# Altium PCB m-BLANC.PcbDoc (part 4 of 15) (continued)
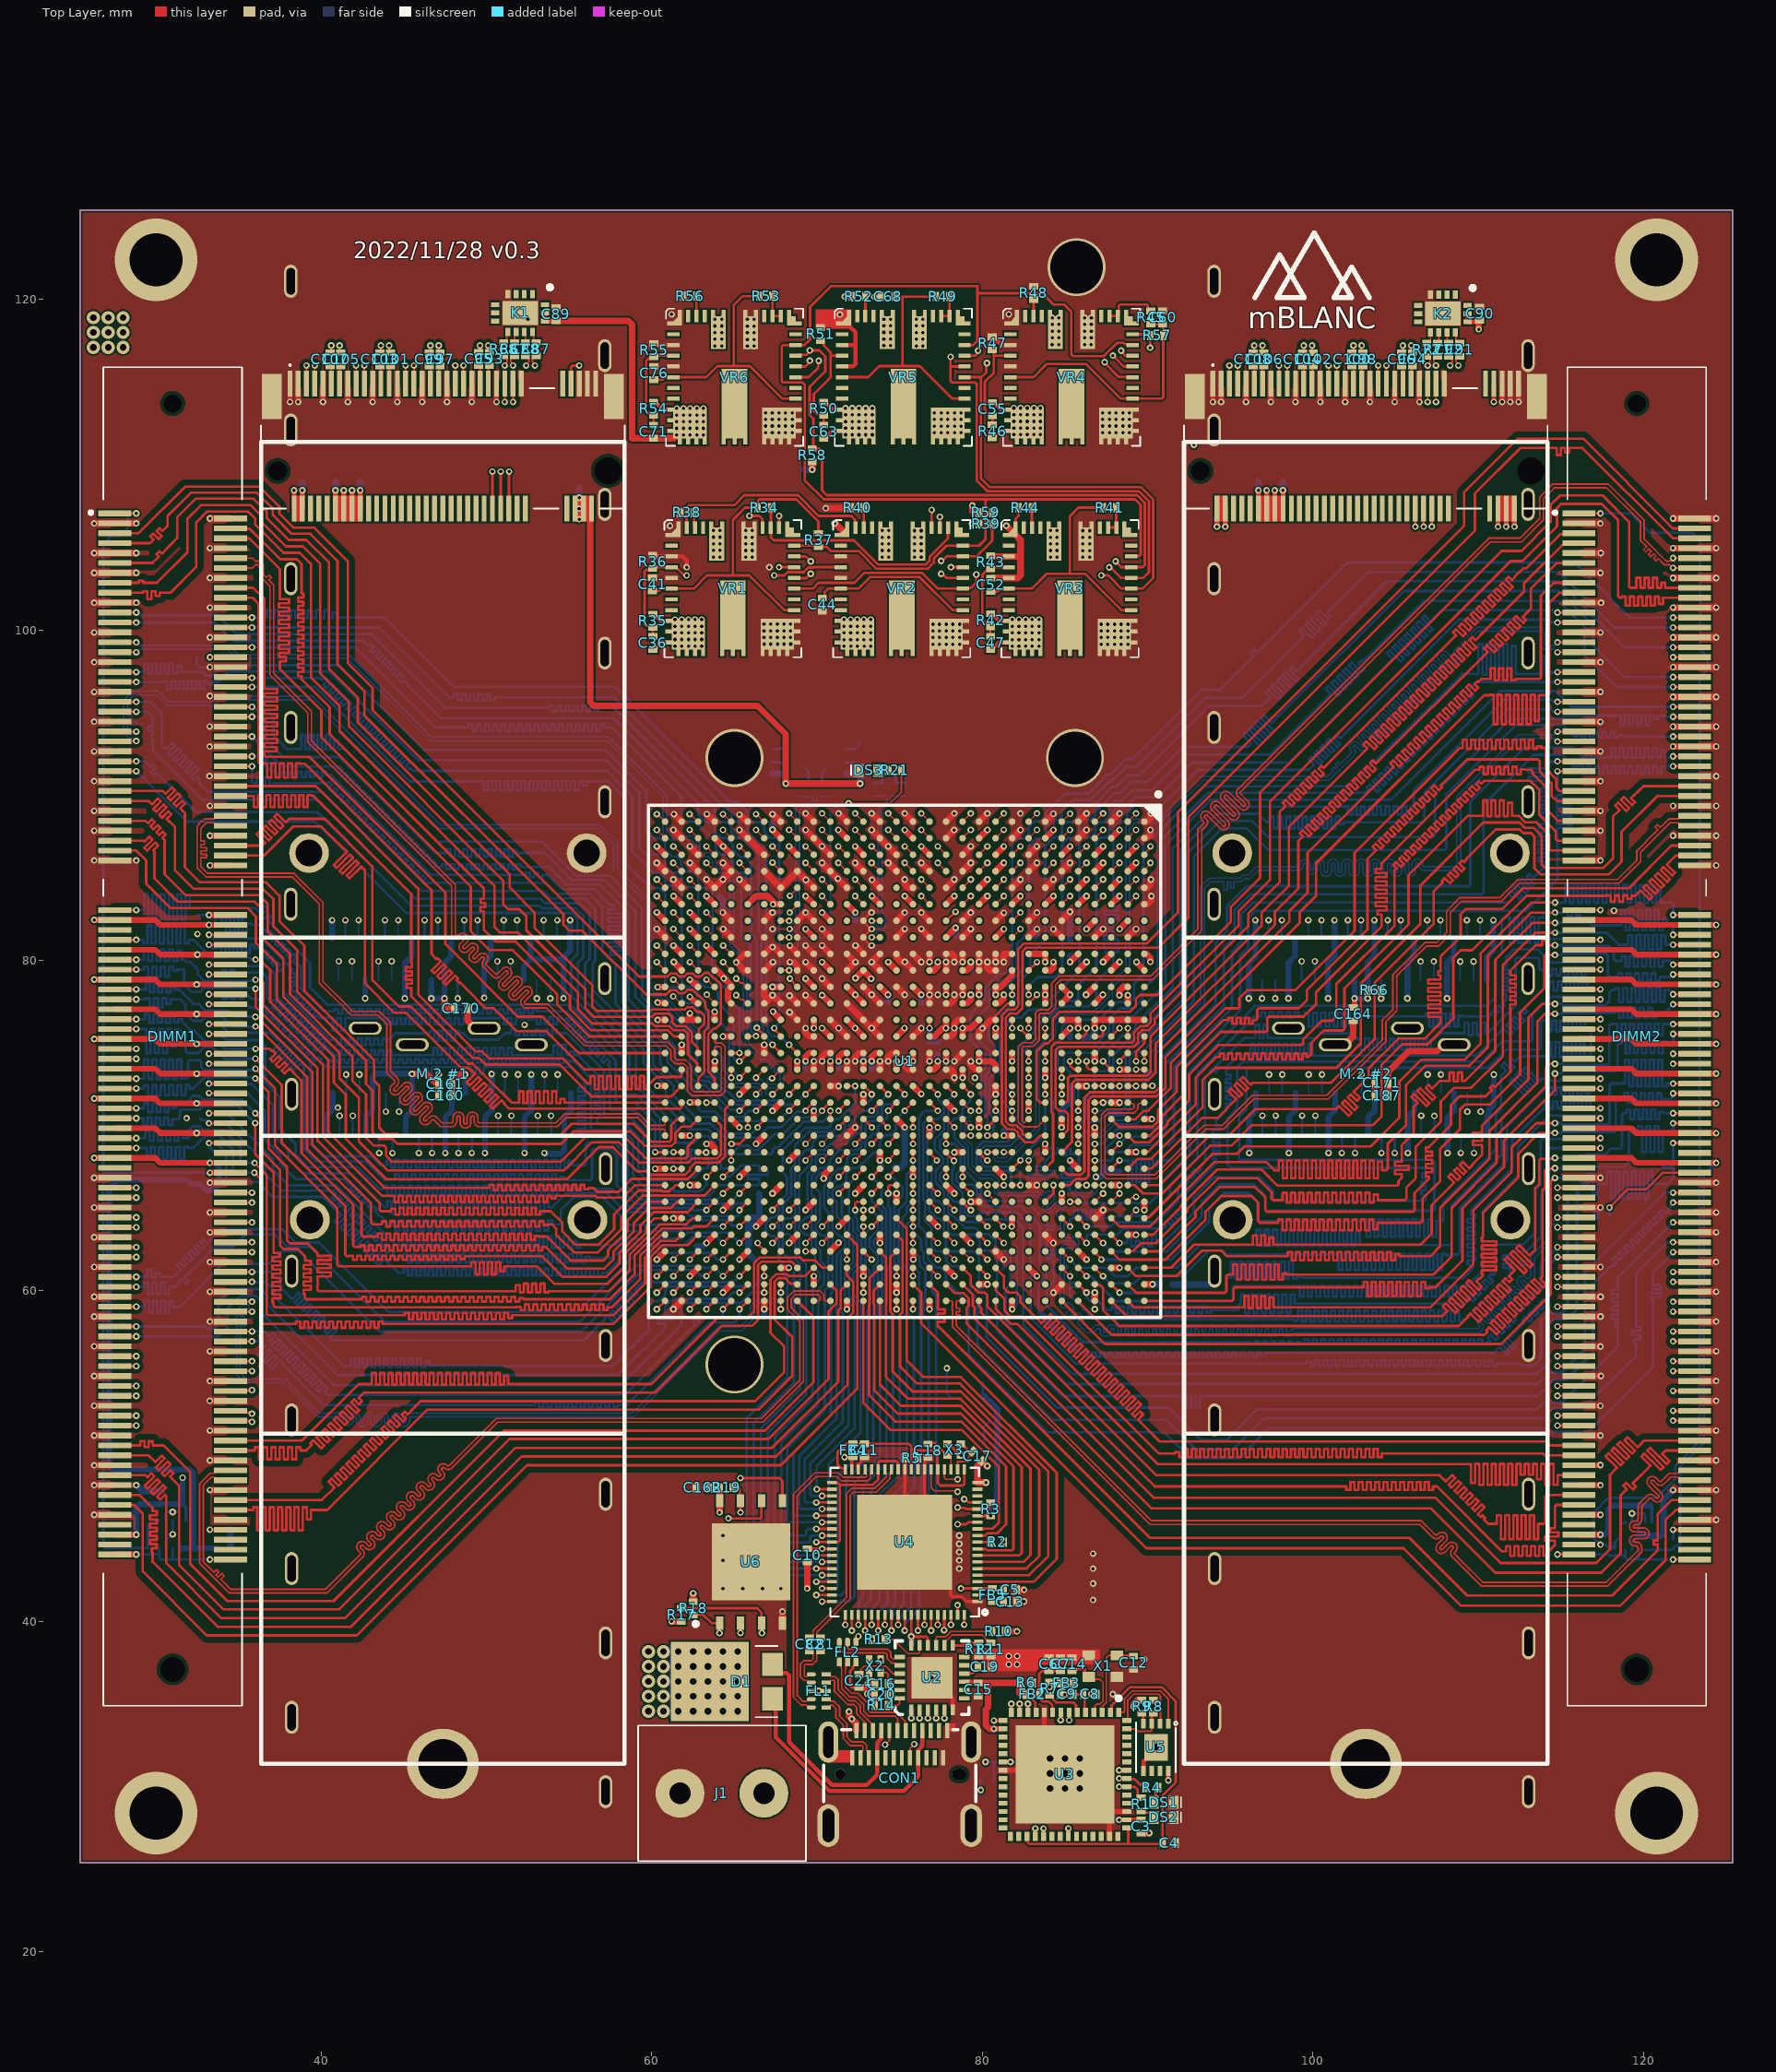
[diagram p0: Top Layer view]
## Nets (pads, with @x,y where several pads share a name; then routed paths per layer and width w, separated by ;. In a path a pad name is that pad's centre, name@x,y a point inside that pad or via, vN(x,y) a via of type N, cw(c..) or ccw(c..) an arc to the next point about the centre after c; other vN are vias at no path point) (continued)
DRAM1_DM3: DIMM1.63 U1.AH20 | length 54.3
  Top Layer w0.15: DIMM1.63@27.5,88.45 29.35,88.45 29.444,88.356 29.497,88.303 29.74,88.546 29.917,88.37 29.661,88.113 29.838,87.937 30.094,88.193 30.271,88.016 30.014,87.76 30.191,87.583 30.406,87.798 30.583,87.621 30.381,87.419 30.494,87.306 30.508,87.292 30.508,85.225 31.774,83.959 36.229,83.959 36.749,83.439 36.749,81.751 38.1,80.4 38.1,77.96 41.875,74.185 41.875,72.717 42.7,71.892 42.7,69.275 43.175,68.8 43.8,68.8 43.925,68.675 43.925,68.163 44.27,67.818 54.49,67.818 56.018,69.346 58.324,69.346 59.645,68.025 62.055,68.025 62.175,68.145 62.175,68.745 62.8,69.37 U1.AH20@62.8,69.4
DRAM1_DM4: DIMM1.136 U1.AK28 | length 46.3
  Top Layer w0.15: DIMM1.136@34.5,64.15 35.621,64.15 v1(35.8,64.15) ; v1(60.3,60.9) U1.AK28@60.8,61.4
  InLayer2 (Signal) w0.15: v1(35.8,64.15) 36.527,64.15 36.673,64.004 36.726,63.951 37.154,64.379 37.331,64.203 36.878,63.75 37.055,63.573 37.508,64.026 37.684,63.849 37.231,63.396 37.408,63.219 37.861,63.672 38.038,63.495 37.61,63.067 37.722,62.955 37.777,62.9 38.852,62.9 40.224,61.528 40.416,61.528 40.491,61.528 40.491,62.404 40.741,62.404 40.741,61.521 40.991,61.521 40.991,62.404 41.241,62.404 41.241,61.521 41.491,61.521 41.491,62.404 41.741,62.404 41.741,61.521 41.991,61.521 41.991,62.404 42.241,62.404 42.241,61.521 42.491,61.521 42.491,62.366 42.741,62.366 42.741,61.528 43.083,61.528 43.099,61.528 43.174,61.528 43.174,61.7 43.424,61.7 43.424,61.389 43.674,61.389 43.674,61.7 43.924,61.7 43.924,61.389 44.174,61.389 44.174,61.7 44.424,61.7 44.424,61.389 44.674,61.389 44.674,61.7 44.924,61.7 44.924,61.389 45.174,61.389 45.174,61.7 45.424,61.7 45.424,61.389 45.674,61.389 45.674,61.7 45.924,61.7 45.924,61.389 46.174,61.389 46.174,61.7 46.424,61.7 46.424,61.389 46.674,61.389 46.674,61.7 46.924,61.7 46.924,61.389 47.174,61.389 47.174,61.7 47.424,61.7 47.424,61.389 47.674,61.389 47.674,61.7 47.924,61.7 47.924,61.528 48.157,61.528 59.36,61.528 59.988,60.9 v1(60.3,60.9)
DRAM1_DM5: DIMM1.153 U1.AG28 | length 46.6
  Top Layer w0.15: DIMM1.153@27.5,59.05 v1(28.8,59.05) ; v1(63.3,60.9) U1.AG28@63.8,61.4
  Bottom Layer w0.15: v1(28.8,59.05) 29.22,59.05 29.295,59.05 29.295,59.393 29.545,59.393 29.545,58.689 29.795,58.689 29.795,59.393 30.045,59.393 30.045,58.689 30.295,58.689 30.295,59.393 30.545,59.393 30.545,58.689 30.795,58.689 30.795,59.393 31.045,59.393 31.045,59.015 31.295,59.015 31.295,59.05 31.442,59.05 31.62,59.228 34.026,61.634 36.846,61.634 37.637,62.425 38.623,62.425 43.51,57.539 55.723,57.539 59.459,61.275 62.591,61.275 62.919,60.948 63.252,60.948 v1(63.3,60.9)
DRAM1_DM6: DIMM1.170 U1.AA25 | length 56.5
  Top Layer w0.15: DIMM1.170@34.5,53.95 35.621,53.95 35.623,53.952 35.752,53.952 v1(35.8,54) ; v1(69.3,63.9) U1.AA25@69.8,64.4
  InLayer2 (Signal) w0.15: v1(35.8,54) 39.1,54 41.091,52.009 41.279,52.009 41.354,52.009 41.354,52.184 41.604,52.184 41.604,51.906 41.854,51.906 41.854,52.184 42.104,52.184 42.104,51.906 42.354,51.906 42.354,52.184 42.604,52.184 42.604,51.906 42.854,51.906 42.854,52.184 43.104,52.184 43.104,51.906 43.354,51.906 43.354,52.184 43.604,52.184 43.604,51.906 43.854,51.906 43.854,52.184 44.104,52.184 44.104,51.906 44.354,51.906 44.354,52.184 44.604,52.184 44.604,51.906 44.854,51.906 44.854,52.184 45.104,52.184 45.104,51.906 45.354,51.906 45.354,52.184 45.604,52.184 45.604,51.906 45.854,51.906 45.854,52.184 46.104,52.184 46.104,51.906 46.354,51.906 46.354,52.184 46.604,52.184 46.604,51.906 46.854,51.906 46.854,52.184 47.104,52.184 47.104,51.906 47.354,51.906 47.354,52.184 47.604,52.184 47.604,51.906 47.854,51.906 47.854,52.184 48.104,52.184 48.104,51.906 48.354,51.906 48.354,52.184 48.604,52.184 48.604,51.906 48.854,51.906 48.854,52.184 49.104,52.184 49.104,51.906 49.354,51.906 49.354,52.184 49.604,52.184 49.604,51.906 49.854,51.906 49.854,52.08 50.104,52.08 50.104,52.009 50.27,52.009 67.009,52.009 68.786,53.786 68.786,63.386 v1(69.3,63.9)
DRAM1_DM7: DIMM1.187 U1.W29 | length 66.6
  Top Layer w0.15: DIMM1.187@27.5,48.85 29.35,48.85 29.419,48.781 29.472,48.728 29.714,48.969 29.891,48.792 29.309,48.21 29.485,48.033 30.067,48.615 30.244,48.438 29.662,47.857 29.839,47.68 30.421,48.262 30.598,48.085 30.062,47.549 30.238,47.372 30.533,47.667 30.618,47.582 30.619,47.581 30.619,43.534 33.954,40.198 41.433,40.198 51.741,50.507 67.272,50.507 71.27,54.505 71.27,58.815 71.425,58.97 71.425,60.025 U1.W29@71.8,60.4
DRAM1_DQ0: DIMM1.5 U1.AG17 | length 62.2
  Top Layer w0.15: DIMM1.5@27.5,105.85 28.934,105.85 31.753,108.67 36.254,108.67 37.456,107.468 37.456,107.044 38.319,106.181 39.583,106.181 41.6,104.164 41.6,98 43.1,96.5 43.1,95.157 59.232,79.025 60.955,79.025 61.143,79.213 61.457,79.213 61.645,79.025 61.955,79.025 62.145,79.214 62.455,79.214 62.645,79.025 62.955,79.025 63.186,79.255 63.414,79.255 63.773,78.897 63.833,78.897 64.175,78.555 64.175,76.177 63.89,75.892 63.762,75.892 63.425,75.555 63.425,73.245 63.8,72.87 U1.AG17@63.8,72.4
DRAM1_DQ1: DIMM1.7 U1.AH17 | length 62.5
  Top Layer w0.15: DIMM1.7@27.5,105.25 29.644,105.25 29.797,105.403 29.85,105.456 29.641,105.665 29.818,105.842 30.165,105.495 30.342,105.671 30.025,105.989 30.201,106.165 30.38,105.986 30.594,106.2 30.693,106.299 30.693,106.894 32.105,108.306 36.101,108.306 37.058,107.349 37.058,106.959 38.2,105.817 39.338,105.817 40.978,104.178 40.978,97.922 42.6,96.3 42.6,94.832 54.65,82.782 54.65,82.171 55.021,81.8 55.8,81.8 59.662,77.938 60.868,77.938 61.134,78.204 61.447,78.204 61.65,78 61.93,78 62.143,78.213 62.457,78.213 62.77,77.9 62.83,77.9 63.175,77.555 63.232,77.498 63.232,77.139 63.425,76.946 63.425,75.963 63.175,75.713 63.175,73.245 62.8,72.87 U1.AH17@62.8,72.4
DRAM1_DQ2: DIMM1.15 U1.AH15 | length 60.2
  Top Layer w0.15: DIMM1.15@27.5,102.85 28.879,102.85 28.954,102.85 28.954,102.978 29.204,102.978 29.204,102.85 29.553,102.85 30.047,102.85 31.894,104.697 31.894,106.736 32.708,107.55 35.722,107.55 36.35,106.922 36.35,106.563 37.855,105.057 38.877,105.057 39.933,104.001 39.933,97.367 41.664,95.636 41.664,94.172 51,84.836 51,83.4 51.3,83.1 51.978,83.1 52.4,82.678 52.4,81.832 55.977,78.254 55.977,77.105 56.496,76.586 60,76.586 60.189,76.775 60.645,76.775 61.039,76.775 61.228,76.586 61.228,76.277 61.48,76.025 62.059,76.025 62.425,75.659 62.425,75.075 62.771,74.729 62.771,74.429 U1.AH15@62.8,74.4
DRAM1_DQ3: DIMM1.17 U1.AH16 | length 62.4
  Top Layer w0.15: DIMM1.17@27.5,102.25 29.142,102.25 29.217,102.25 29.217,102.33 29.467,102.33 29.467,101.866 29.717,101.866 29.717,102.33 29.967,102.33 29.967,102.061 30.217,102.061 30.217,102.25 30.595,102.25 30.862,102.25 32.432,103.82 32.432,106.506 33.091,107.165 35.561,107.165 36,106.726 36,106.372 37.7,104.673 38.692,104.673 39.364,104 39.364,97.136 41.1,95.4 41.1,93.869 50.479,84.49 50.479,82.021 50.8,81.7 51.881,81.7 55.528,78.054 55.528,77.056 56.397,76.186 60.028,76.186 60.189,76.025 60.499,76.025 61.075,76.025 61.325,75.775 61.955,75.775 62.175,75.555 62.175,74.325 62.752,73.748 62.752,73.448 U1.AH16@62.8,73.4
DRAM1_DQ4: DIMM1.4 U1.AJ14 | length 54.3
  Top Layer w0.15: DIMM1.4@34.5,106.15 34.516,106.134 35.647,106.134 37.506,104.275 38.525,104.275 38.8,104 38.8,102.286 38.8,102.211 38.911,102.211 38.911,101.961 38.595,101.961 38.595,101.711 38.911,101.711 38.911,101.461 38.595,101.461 38.595,101.211 38.911,101.211 38.911,100.961 38.595,100.961 38.595,100.711 38.911,100.711 38.911,100.461 38.595,100.461 38.595,100.211 38.911,100.211 38.911,99.961 38.595,99.961 38.595,99.711 38.911,99.711 38.911,99.461 38.595,99.461 38.595,99.211 38.911,99.211 38.911,98.961 38.595,98.961 38.595,98.711 38.911,98.711 38.911,98.461 38.595,98.461 38.595,98.211 38.911,98.211 38.911,97.961 38.595,97.961 38.595,97.711 38.911,97.711 38.911,97.461 38.595,97.461 38.595,97.211 38.8,97.211 38.8,97.098 38.8,97.012 40.5,95.312 40.5,93.698 49.828,84.371 49.828,84.1 49.828,83.725 49.633,83.725 49.633,83.475 49.921,83.475 49.921,83.225 49.614,83.225 49.614,82.975 49.828,82.975 49.828,82.9 49.828,81.872 50.557,81.143 51.755,81.143 55.036,77.862 55.036,77.069 56.332,75.773 60.599,75.773 60.601,75.775 60.971,75.775 61.346,75.4 U1.AJ14@61.8,75.4
DRAM1_DQ5: DIMM1.6 U1.AK14 | length 54.5
  Top Layer w0.15: DIMM1.6@34.5,105.55 34.516,105.534 35.637,105.534 37.49,103.681 37.49,101.933 37.49,101.858 38.042,101.858 38.042,101.608 37.428,101.608 37.428,101.358 38.042,101.358 38.042,101.108 37.428,101.108 37.428,100.858 38.042,100.858 38.042,100.608 37.428,100.608 37.428,100.358 38.042,100.358 38.042,100.108 37.428,100.108 37.428,99.858 38.042,99.858 38.042,99.608 37.428,99.608 37.428,99.358 38.042,99.358 38.042,99.108 37.428,99.108 37.428,98.858 38.042,98.858 38.042,98.608 37.428,98.608 37.428,98.358 37.852,98.358 37.852,98.108 37.49,98.108 37.49,97.841 37.49,97.647 40,95.138 40,93.5 49.042,84.458 49.042,81.758 50.174,80.626 51.587,80.626 52.891,79.323 54.275,77.939 54.275,77.325 56.2,75.4 U1.AK14@60.8,75.4
DRAM1_DQ6: DIMM1.16 U1.AK15 | length 57.6
  Top Layer w0.15: DIMM1.16@34.5,102.55 35.621,102.55 35.87,102.55 36.555,101.865 36.555,96.489 36.555,96.414 37.323,96.414 37.323,96.164 36.551,96.164 36.551,95.914 37.323,95.914 37.323,95.664 36.551,95.664 36.551,95.414 37.323,95.414 37.323,95.164 36.551,95.164 36.551,94.914 37.323,94.914 37.323,94.664 36.551,94.664 36.551,94.414 37.323,94.414 37.323,94.164 36.551,94.164 36.551,93.914 37.323,93.914 37.323,93.664 36.551,93.664 36.551,93.414 37.323,93.414 37.323,93.164 36.551,93.164 36.551,92.914 37.298,92.914 37.298,92.664 36.555,92.664 36.555,92.411 36.635,92.331 36.643,92.323 39.27,92.323 47.5,84.092 47.5,80.999 51.895,76.604 53.368,76.604 55.572,74.4 U1.AK15@60.8,74.4
DRAM1_DQ7: DIMM1.18 U1.AK16 | length 58
  Top Layer w0.15: DIMM1.18@34.5,101.95 35.828,101.95 36.198,101.58 36.198,91.984 36.286,91.896 36.394,91.896 36.469,91.896 36.469,91.934 36.719,91.934 36.719,91.073 36.969,91.073 36.969,91.934 37.219,91.934 37.219,91.073 37.469,91.073 37.469,91.934 37.719,91.934 37.719,91.073 37.969,91.073 37.969,91.934 38.219,91.934 38.219,91.073 38.469,91.073 38.469,91.934 38.719,91.934 38.719,91.896 38.994,91.896 39.017,91.896 46.663,84.25 46.663,80.393 46.928,80.128 46.981,80.075 47.041,80.135 47.218,79.959 46.656,79.397 46.833,79.22 47.395,79.782 47.572,79.605 47.01,79.043 47.186,78.866 47.749,79.428 47.925,79.251 47.363,78.689 47.54,78.513 48.102,79.075 48.279,78.898 48.182,78.801 48.359,78.625 48.395,78.66 48.761,78.295 49.941,77.114 50.427,77.114 51.179,76.362 51.824,75.717 53.617,75.717 55.935,73.4 U1.AK16@60.8,73.4
DRAM1_DQ8: DIMM1.21 U1.AC15 | length 62
  Top Layer w0.15: DIMM1.21@27.5,101.05 v1@28.75,101.05 ; v1@67.25,74.925 67.263,74.925 67.788,74.4 U1.AC15@67.8,74.4
  Bottom Layer w0.15: v1(28.8,101.05) 28.848,101.002 28.986,101.002 29.086,100.902 33.698,100.902 34.855,99.745 43.022,99.745 47.489,95.278 53.7,95.278 53.775,95.278 53.775,95.418 54.025,95.418 54.025,95.091 54.275,95.091 54.275,95.418 54.525,95.418 54.525,95.091 54.775,95.091 54.775,95.418 55.025,95.418 55.025,95.091 55.275,95.091 55.275,95.418 55.525,95.418 55.525,95.091 55.775,95.091 55.775,95.418 56.025,95.418 56.025,95.091 56.275,95.091 56.275,95.418 56.525,95.418 56.525,95.124 56.775,95.124 56.775,95.278 57.2,95.278 57.714,95.278 63.8,89.192 63.8,88.724 64.16,88.365 64.57,88.365 64.823,88.111 64.823,87.73 65.146,87.408 65.457,87.408 66.464,86.4 66.464,81.795 66.631,81.628 66.631,76.172 66.725,76.079 66.725,75.505 67.3,74.93 v1(67.3,74.9)
DRAM1_DQ9: DIMM1.23 U1.AD14 | length 60.2
  Top Layer w0.15: DIMM1.23@27.5,100.45 v1(28.8,100.45) ; v1(66.35,75.923) 66.35,75.904 66.8,75.454 U1.AD14@66.8,75.4
  Bottom Layer w0.15: v1@28.803,100.45 33.55,100.45 34.656,99.344 42.557,99.344 42.818,99.083 42.871,99.03 43.001,99.159 43.177,98.983 42.95,98.755 43.127,98.579 43.354,98.806 43.531,98.629 43.304,98.402 43.481,98.225 43.708,98.452 43.884,98.275 43.657,98.048 43.834,97.871 44.061,98.099 44.238,97.922 44.011,97.695 44.188,97.518 44.415,97.745 44.592,97.568 44.364,97.341 44.541,97.164 44.768,97.392 44.945,97.215 44.718,96.988 44.895,96.811 45.05,96.966 45.227,96.789 45.169,96.732 45.804,96.097 47.229,94.672 57.674,94.672 62.8,89.546 62.8,88.846 63.267,88.379 63.555,88.379 63.829,88.104 63.829,87.754 64.162,87.422 64.501,87.422 64.887,87.036 64.887,86.713 65.325,86.275 65.647,86.275 66,85.922 66,81.6 66.35,81.25 v1(66.35,75.923)
DRAM1_DQ10: DIMM1.33 U1.AF15 | length 60.8
  Top Layer w0.15: DIMM1.33@27.5,97.45 v1(28.8,97.45) ; U1.AF15@64.8,74.4 v1(65.3,74.4)
  Bottom Layer w0.15: v1(28.8,97.45) 29.2,97.45 29.275,97.45 29.275,97.954 29.525,97.954 29.525,97.389 29.775,97.389 29.775,97.954 30.025,97.954 30.025,97.389 30.275,97.389 30.275,97.954 30.525,97.954 30.525,97.389 30.775,97.389 30.775,97.954 31.025,97.954 31.025,97.389 31.275,97.389 31.275,97.849 31.525,97.849 31.525,97.45 31.987,97.45 32.828,97.45 33.045,97.233 33.426,97.233 34.048,97.855 41.097,97.855 46.211,92.742 57.172,92.742 59.659,90.255 59.659,87.841 60.1,87.4 60.512,87.4 60.8,87.112 60.8,86.7 61.2,86.3 61.516,86.3 61.78,86.036 61.78,85.674 62.061,85.393 62.453,85.393 62.814,85.033 62.814,84.671 63.085,84.4 63.561,84.4 63.675,84.286 63.675,80.745 63.649,80.719 63.649,79.047 64.283,78.413 64.51,78.413 64.721,78.201 64.721,77.599 65.3,77.02 v1(65.3,74.4)
DRAM1_DQ11: DIMM1.35 U1.AE15 | length 61.1
  Top Layer w0.15: DIMM1.35@27.5,96.85 v1(28.8,96.85) ; v1(65.295,73.895) 65.325,73.895 65.8,74.37 U1.AE15@65.8,74.4
  Bottom Layer w0.15: v1(28.8,96.85) 28.814,96.836 30.332,96.836 30.407,96.836 30.407,96.906 30.657,96.906 30.657,96.425 30.907,96.425 30.907,96.906 31.157,96.906 31.157,96.425 31.407,96.425 31.407,96.906 31.657,96.906 31.657,96.425 31.907,96.425 31.907,96.906 32.157,96.906 32.157,96.425 32.407,96.425 32.407,96.906 32.657,96.906 32.657,96.425 32.907,96.425 32.907,96.906 33.157,96.906 33.157,96.721 33.407,96.721 33.407,96.836 33.692,96.836 33.736,96.836 34.375,97.475 40.503,97.475 45.854,92.124 57.249,92.124 59.252,90.121 59.252,86.801 59.653,86.4 60.5,86.4 60.8,86.1 60.8,85.7 61.2,85.3 61.596,85.3 61.8,85.096 61.8,84.669 62.039,84.43 62.57,84.43 62.8,84.2 62.8,78.779 63.205,78.374 63.69,78.374 63.995,78.068 63.995,77.467 64.925,76.537 64.925,74.111 65.094,73.943 65.247,73.943 v1(65.295,73.895)
DRAM1_DQ12: DIMM1.22 U1.AC14 | length 59.7
  Top Layer w0.15: DIMM1.22@34.5,100.75 35.621,100.75 v1(35.8,100.75) ; v1(67.4,75.9) 67.4,75.85 67.8,75.45 U1.AC14@67.8,75.4
  Bottom Layer w0.15: v1(35.8,100.75) 36.6,100.75 36.675,100.75 36.675,101.202 36.925,101.202 36.925,100.713 37.175,100.713 37.175,101.202 37.425,101.202 37.425,100.713 37.675,100.713 37.675,101.202 37.925,101.202 37.925,100.713 38.175,100.713 38.175,101.202 38.425,101.202 38.425,100.713 38.675,100.713 38.675,101.202 38.925,101.202 38.925,100.713 39.175,100.713 39.175,101.202 39.425,101.202 39.425,100.713 39.675,100.713 39.675,101.202 39.925,101.202 39.925,100.713 40.175,100.713 40.175,101.202 40.425,101.202 40.425,100.713 40.675,100.713 40.675,101.061 40.925,101.061 40.925,100.75 41.446,100.75 43.829,100.75 48.01,96.569 57.731,96.569 64.682,89.618 65.136,89.618 65.83,88.924 65.83,88.642 66.096,88.376 66.529,88.376 66.81,88.094 66.81,87.765 67.165,87.41 67.521,87.41 67.709,87.223 67.709,76.209 v1(67.4,75.9)
DRAM1_DQ13: DIMM1.24 U1.AB15 | length 56
  Top Layer w0.15: DIMM1.24@34.5,100.15 35.621,100.15 v1(35.8,100.15) ; v1@68.189,74.893 68.237,74.845 68.355,74.845 U1.AB15@68.8,74.4
  Bottom Layer w0.15: v1(35.8,100.15) 43.496,100.15 47.728,95.918 47.918,95.918 47.993,95.918 47.993,96.124 48.243,96.124 48.243,95.718 48.493,95.718 48.493,96.124 48.743,96.124 48.743,95.718 48.993,95.718 48.993,96.124 49.243,96.124 49.243,95.718 49.493,95.718 49.493,96.124 49.743,96.124 49.743,95.718 49.993,95.718 49.993,96.124 50.243,96.124 50.243,95.718 50.493,95.718 50.493,95.956 50.743,95.956 50.743,95.918 51.119,95.918 57.713,95.918 64.4,89.23 64.524,89.23 64.819,88.935 64.819,88.592 65.01,88.4 65.6,88.4 65.8,88.2 65.8,87.768 66.925,86.643 66.925,76.232 67.025,76.132 67.025,75.679 67.298,75.406 67.794,75.406 v1(68.3,74.9)
DRAM1_DQ14: DIMM1.34 U1.AE16 | length 61.4
  Top Layer w0.15: DIMM1.34@34.5,97.15 35.621,97.15 35.682,97.15 35.732,97.1 v1(35.8,97.1) ; v1(65.3,72.9) U1.AE16@65.8,73.4
  Bottom Layer w0.15: v1(35.8,97.1) 39.918,97.1 40.009,97.009 40.062,96.956 40.239,97.134 40.416,96.957 40.11,96.651 40.287,96.474 40.593,96.78 40.77,96.603 40.464,96.297 40.641,96.121 40.947,96.427 41.123,96.25 40.817,95.944 40.994,95.767 41.3,96.073 41.477,95.896 41.171,95.59 41.348,95.413 41.654,95.72 41.83,95.543 41.524,95.237 41.701,95.06 42.007,95.366 42.184,95.189 41.878,94.883 42.055,94.706 42.361,95.012 42.538,94.836 42.231,94.53 42.408,94.353 42.714,94.659 42.891,94.482 42.585,94.176 42.762,93.999 43.068,94.305 43.245,94.129 42.939,93.823 43.115,93.646 43.421,93.952 43.598,93.775 43.292,93.469 43.469,93.292 43.775,93.598 43.952,93.421 43.646,93.115 43.822,92.939 44.129,93.245 44.305,93.068 43.999,92.762 44.176,92.585 44.482,92.891 44.659,92.714 44.353,92.408 44.53,92.232 44.836,92.538 45.012,92.361 44.706,92.055 44.883,91.878 45.189,92.184 45.366,92.007 45.128,91.769 45.305,91.593 45.365,91.653 45.545,91.473 57.281,91.473 58.806,89.948 58.806,86.594 60.1,85.3 60.43,85.3 60.8,84.93 60.8,84.7 60.975,84.525 61.405,84.525 61.8,84.13 61.8,78.702 62.104,78.398 62.543,78.398 62.768,78.173 62.768,77.822 63.266,77.324 63.266,76.832 63.849,76.249 64.173,76.249 64.675,75.747 64.675,75.041 64.675,73.555 65.3,72.93 v1(65.3,72.9)
DRAM1_DQ15: DIMM1.36 U1.AF16 | length 61.5
  Top Layer w0.15: DIMM1.36@34.5,96.55 35.621,96.55 v1(35.8,96.55) ; v1(64.8,72.9) U1.AF16@64.8,73.4
  Bottom Layer w0.15: v1(35.8,96.55) 39.633,96.55 45.358,90.824 49.506,90.824 49.581,90.824 49.581,90.848 49.831,90.848 49.831,90.288 50.081,90.288 50.081,90.848 50.331,90.848 50.331,90.288 50.581,90.288 50.581,90.848 50.831,90.848 50.831,90.288 51.081,90.288 51.081,90.848 51.331,90.848 51.331,90.288 51.581,90.288 51.581,90.848 51.831,90.848 51.831,90.288 52.081,90.288 52.081,90.848 52.331,90.848 52.331,90.288 52.581,90.288 52.581,90.848 52.831,90.848 52.831,90.288 53.081,90.288 53.081,90.848 53.331,90.848 53.331,90.288 53.581,90.288 53.581,90.848 53.831,90.848 53.831,90.288 54.081,90.288 54.081,90.848 54.331,90.848 54.331,90.288 54.581,90.288 54.581,90.848 54.831,90.848 54.831,90.288 55.081,90.288 55.081,90.848 55.331,90.848 55.331,90.288 55.581,90.288 55.581,90.848 55.831,90.848 55.831,90.61 56.081,90.61 56.081,90.824 56.982,90.824 57.376,90.824 58.39,89.81 58.39,85.887 59.877,84.4 60.434,84.4 60.8,84.034 60.8,78.643 61.046,78.397 61.572,78.397 61.789,78.18 61.789,77.711 62.093,77.407 62.493,77.407 62.8,77.1 62.8,76.5 63.9,75.4 63.9,74.5 64.287,74.113 64.287,73.412 v1(64.8,72.9)
DRAM1_DQ16: DIMM1.39 U1.AD19 | length 62.4
  Top Layer w0.15: DIMM1.39@27.5,95.65 v1(28.8,95.65) ; v1(66.4,69.9) 66.4,69.95 66.8,70.35 U1.AD19@66.8,70.4
  Bottom Layer w0.15: v1(28.8,95.65) 29.65,95.65 30.325,94.975 30.325,93.017 30.521,92.821 30.574,92.768 30.983,93.177 31.159,93 30.707,92.548 30.884,92.371 31.336,92.823 31.513,92.646 31.061,92.194 31.238,92.017 31.69,92.469 31.867,92.293 31.414,91.84 31.591,91.664 32.043,92.116 32.22,91.939 31.768,91.487 31.945,91.31 32.397,91.762 32.574,91.586 32.121,91.133 32.298,90.957 32.484,91.143 32.661,90.966 32.519,90.824 32.719,90.624 33.142,90.2 40.058,90.2 46.064,84.194 53.407,84.194 53.844,83.757 55.922,83.757 56.575,83.104 56.575,79.966 56.426,79.817 56.426,78.211 60.078,74.559 60.078,73.664 61.326,72.416 61.326,71.832 62.621,70.537 63.635,70.537 64.648,69.525 65.074,69.525 66.025,69.525 v1(66.4,69.9)
DRAM1_DQ17: DIMM1.41 U1.AA18 | length 59.8
  Top Layer w0.15: DIMM1.41@27.5,95.05 v1(28.8,95.05) ; v1(69.3,70.9) 69.3,70.93 69.77,71.4 U1.AA18@69.8,71.4
  Bottom Layer w0.15: v1(28.8,95.05) 29.463,95.05 29.8,94.713 29.8,94.5 29.8,94.425 29.809,94.425 29.809,94.175 29.531,94.175 29.531,93.925 29.809,93.925 29.809,93.675 29.717,93.675 29.717,93.425 29.8,93.425 29.8,92.977 29.8,92.705 32.775,89.73 39.725,89.73 45.733,83.721 53.279,83.721 53.536,83.464 55.632,83.464 56.233,82.862 56.233,80.081 55.963,79.811 55.963,78.144 59.497,74.61 59.497,73.779 60.85,72.426 60.85,71.734 62.459,70.125 63.563,70.125 64.414,69.275 64.97,69.275 66.409,69.275 67.034,69.9 67.844,69.9 68.796,70.852 69.252,70.852 v1(69.3,70.9)
DRAM1_DQ18: DIMM1.51 U1.Y18 | length 59.6
  Top Layer w0.15: DIMM1.51@27.5,92.05 v1(28.8,92.05) ; v1(70.3,70.9) 70.3,70.93 70.77,71.4 U1.Y18@70.8,71.4
  Bottom Layer w0.15: v1(28.8,92.05) 29.34,92.05 29.615,91.776 29.668,91.723 29.817,91.872 29.994,91.695 29.69,91.391 29.867,91.214 30.022,91.369 30.36,91.031 32.411,88.98 39.734,88.98 45.401,83.312 53.188,83.312 53.342,83.158 55.408,83.158 55.846,82.72 55.846,80.181 55.523,79.858 55.523,78.025 59.049,74.5 59.049,72.991 62.26,69.779 63.438,69.779 64.256,68.961 64.256,68.613 64.344,68.525 65.045,68.525 65.312,68.792 65.823,68.792 66.09,68.525 66.455,68.525 67.43,69.5 67.946,69.5 68.946,70.5 69.93,70.5 70.3,70.87 v1(70.3,70.9)
DRAM1_DQ19: DIMM1.53 U1.Y19 | length 60.3
  Top Layer w0.15: DIMM1.53@27.5,91.45 v1(28.8,91.45) ; U1.Y19@70.8,70.4 v1(70.8,70.9)
  Bottom Layer w0.15: v1(28.8,91.45) 31.849,88.401 39.607,88.401 45.136,82.873 55.148,82.873 55.489,82.531 55.489,80.36 55.123,79.994 55.123,77.845 58.633,74.335 58.633,72.823 61.405,70.051 61.405,69.048 61.493,68.96 62.538,68.96 62.943,69.365 63.394,69.365 63.807,68.952 63.807,68.363 63.895,68.275 65.955,68.275 66.645,68.275 66.955,68.275 67.204,68.275 67.311,68.381 67.364,68.434 67.269,68.528 67.446,68.705 67.54,68.611 67.815,68.885 69.18,70.25 70.362,70.25 70.756,70.643 70.756,70.856 v1(70.8,70.9)
DRAM1_DQ20: DIMM1.40 U1.AB17 | length 57.5
  Top Layer w0.15: DIMM1.40@34.5,95.35 35.621,95.35 v1(35.8,95.35) ; v1(68.3,71.9) U1.AB17@68.8,72.4
  Bottom Layer w0.15: v1(35.8,95.35) 35.868,95.35 36.012,95.206 36.648,95.206 37.1,94.754 37.1,93.601 37.901,92.8 38.7,92.8 38.775,92.8 38.775,93.657 39.025,93.657 39.025,92.771 39.275,92.771 39.275,93.657 39.525,93.657 39.525,92.771 39.775,92.771 39.775,93.657 40.025,93.657 40.025,92.771 40.275,92.771 40.275,93.657 40.525,93.657 40.525,92.771 40.775,92.771 40.775,93.335 41.025,93.335 41.025,92.8 41.198,92.8 41.397,92.8 47.001,87.196 53.335,87.196 55.406,85.125 57.43,85.125 59.416,83.139 59.416,77.8 60.176,77.04 60.86,77.04 62.707,75.193 62.707,73.55 63.308,72.949 63.555,72.949 64.404,72.1 64.564,72.1 65.139,71.525 67.925,71.525 v1(68.3,71.9)
DRAM1_DQ21: DIMM1.42 U1.AA17 | length 57.9
  Top Layer w0.15: DIMM1.42@34.5,94.75 35.621,94.75 v1(35.8,94.75) ; v1(69.3,71.9) U1.AA17@69.8,72.4
  Bottom Layer w0.15: v1(35.8,94.75) 36.45,94.75 36.65,94.55 36.65,93.355 37.693,92.312 41.087,92.312 46.892,86.507 47.5,86.507 47.575,86.507 47.575,86.727 47.825,86.727 47.825,86.262 48.075,86.262 48.075,86.727 48.325,86.727 48.325,86.262 48.575,86.262 48.575,86.727 48.825,86.727 48.825,86.262 49.075,86.262 49.075,86.727 49.325,86.727 49.325,86.262 49.575,86.262 49.575,86.727 49.825,86.727 49.825,86.262 50.075,86.262 50.075,86.727 50.325,86.727 50.325,86.262 50.575,86.262 50.575,86.727 50.825,86.727 50.825,86.262 51.075,86.262 51.075,86.727 51.325,86.727 51.325,86.262 51.575,86.262 51.575,86.677 51.825,86.677 51.825,86.507 52.6,86.507 53.493,86.507 55.125,84.875 57.123,84.875 59,82.998 59,77.8 60.017,76.783 60.563,76.783 60.775,76.57 62.3,75.045 62.3,73.478 63.079,72.699 63.449,72.699 64.873,71.275 68.675,71.275 v1(69.3,71.9)
DRAM1_DQ22: DIMM1.50 U1.AD18 | length 60.9
  Top Layer w0.15: DIMM1.50@34.5,92.35 35.621,92.35 v1(35.8,92.35) ; v1(66.3,70.9) U1.AD18@66.8,71.4
  Bottom Layer w0.15: v1(35.8,92.35) 35.805,92.345 36.253,92.345 36.336,92.262 36.389,92.208 36.517,92.336 36.694,92.159 36.443,91.909 36.62,91.732 36.87,91.983 37.047,91.806 36.797,91.556 36.974,91.379 37.096,91.501 37.31,91.288 37.375,91.222 37.474,91.222 37.55,91.222 37.55,91.413 37.8,91.413 37.8,91.088 38.05,91.088 38.05,91.413 38.3,91.413 38.3,91.088 38.55,91.088 38.55,91.413 38.8,91.413 38.8,91.088 39.05,91.088 39.05,91.413 39.3,91.413 39.3,91.088 39.55,91.088 39.55,91.413 39.8,91.413 39.8,91.088 40.05,91.088 40.05,91.413 40.3,91.413 40.3,91.218 40.51,91.217 40.585,91.217 46.618,85.184 52.297,85.184 52.372,85.184 52.372,85.323 52.622,85.323 52.622,85.046 52.872,85.046 52.872,85.323 53.122,85.323 53.122,85.046 53.372,85.046 53.372,85.184 53.564,85.184 53.677,85.184 54.542,84.319 56.509,84.319 57.414,83.415 57.489,83.34 57.745,83.34 57.745,83.09 57.349,83.09 57.349,82.84 58.21,82.84 58.21,82.59 57.349,82.59 57.349,82.34 58.21,82.34 58.21,82.09 57.349,82.09 57.349,81.84 58.21,81.84 58.21,81.59 57.349,81.59 57.349,81.34 58.21,81.34 58.21,81.09 57.349,81.09 57.349,80.84 58.21,80.84 58.21,80.59 57.514,80.59 57.514,80.34 58.21,80.34 58.21,80.09 58.2,80.09 58.2,79.897 58.2,77.5 58.9,76.8 60.946,74.754 60.946,73.828 62.652,72.122 63.108,72.122 63.675,71.555 64.705,70.525 65.501,70.525 65.875,70.899 v1(66.3,70.9) v1(66.3,70.9)
DRAM1_DQ23: DIMM1.52 U1.AB18 | length 59.7
  Top Layer w0.15: DIMM1.52@34.5,91.75 35.621,91.75 v1(35.8,91.75) ; v1(68.3,70.9) U1.AB18@68.8,71.4
  Bottom Layer w0.15: v1(35.8,91.75) 35.8,90.827 35.803,90.824 35.888,90.74 36.112,90.74 36.112,91.062 36.362,91.062 36.362,90.571 36.612,90.571 36.612,91.079 36.862,91.079 36.862,90.571 37.112,90.571 37.112,90.74 37.187,90.74 40.172,90.74 40.31,90.74 40.369,90.681 40.476,90.789 40.653,90.612 40.454,90.412 40.63,90.236 40.83,90.435 41.007,90.258 40.807,90.059 40.984,89.882 41.183,90.082 41.36,89.905 41.161,89.705 41.337,89.529 41.537,89.728 41.714,89.551 41.514,89.352 41.691,89.175 41.89,89.374 42.067,89.198 41.868,88.998 42.045,88.821 42.244,89.021 42.421,88.844 42.221,88.645 42.398,88.468 42.598,88.667 42.774,88.491 42.575,88.291 42.752,88.114 42.951,88.314 43.128,88.137 42.928,87.938 43.105,87.761 43.305,87.96 43.481,87.784 43.282,87.584 43.459,87.407 43.658,87.607 43.835,87.43 43.636,87.23 43.812,87.054 44.012,87.253 44.189,87.076 43.989,86.877 44.166,86.7 44.365,86.9 44.542,86.723 44.343,86.523 44.519,86.347 44.719,86.546 44.896,86.369 44.696,86.17 44.873,85.993 45.072,86.193 45.249,86.016 45.05,85.816 45.227,85.639 45.426,85.839 45.603,85.662 45.403,85.463 45.58,85.286 45.78,85.485 45.956,85.309 45.757,85.109 45.934,84.932 46.133,85.132 46.31,84.955 46.11,84.756 46.287,84.579 46.408,84.7 46.514,84.7 53.578,84.7 54.234,84.043 56.237,84.043 57,83.281 57,80.5 57.8,79.7 57.8,77.393 60.503,74.69 60.503,73.729 62.437,71.795 62.647,71.795 62.826,71.617 62.826,71.034 62.987,70.873 63.792,70.873 64.39,70.275 67.675,70.275 v1(68.3,70.9)
DRAM1_DQ24: DIMM1.57 U1.AJ19 | length 54.7
  Top Layer w0.15: DIMM1.57@27.5,90.25 30.412,90.25 30.525,90.137 30.578,90.084 30.968,90.474 31.145,90.297 30.702,89.854 30.879,89.677 31.322,90.121 31.499,89.944 31.055,89.5 31.232,89.324 31.564,89.655 31.741,89.479 31.462,89.2 31.614,89.048 31.742,88.92 31.742,85.642 32.656,84.727 36.65,84.727 37.467,83.91 37.467,82.386 38.967,80.886 38.967,78.17 43.2,73.937 43.2,72.708 43.5,72.408 43.5,69.888 43.888,69.5 44.6,69.5 44.765,69.335 54.358,69.335 55.137,70.114 58.893,70.114 59.982,69.025 61.052,69.025 61.175,69.148 61.175,70.042 61.516,70.383 61.783,70.383 U1.AJ19@61.8,70.4